# Altium PCB HYDRA_V3_CAMERA.PcbDoc (part 2 of 2)
Units mm, origin at the board's own origin, x right, y up, seen from the top; angles counter-clockwise.
Board outline 50 x 45 mm, 4 copper layers (Top Layer, PWR, GND, Bottom Layer), stack 0.603 mm thick; 137 components, 97 nets, 553 pads, 115 vias.
Unrouted connection lines stored in the file: 170.
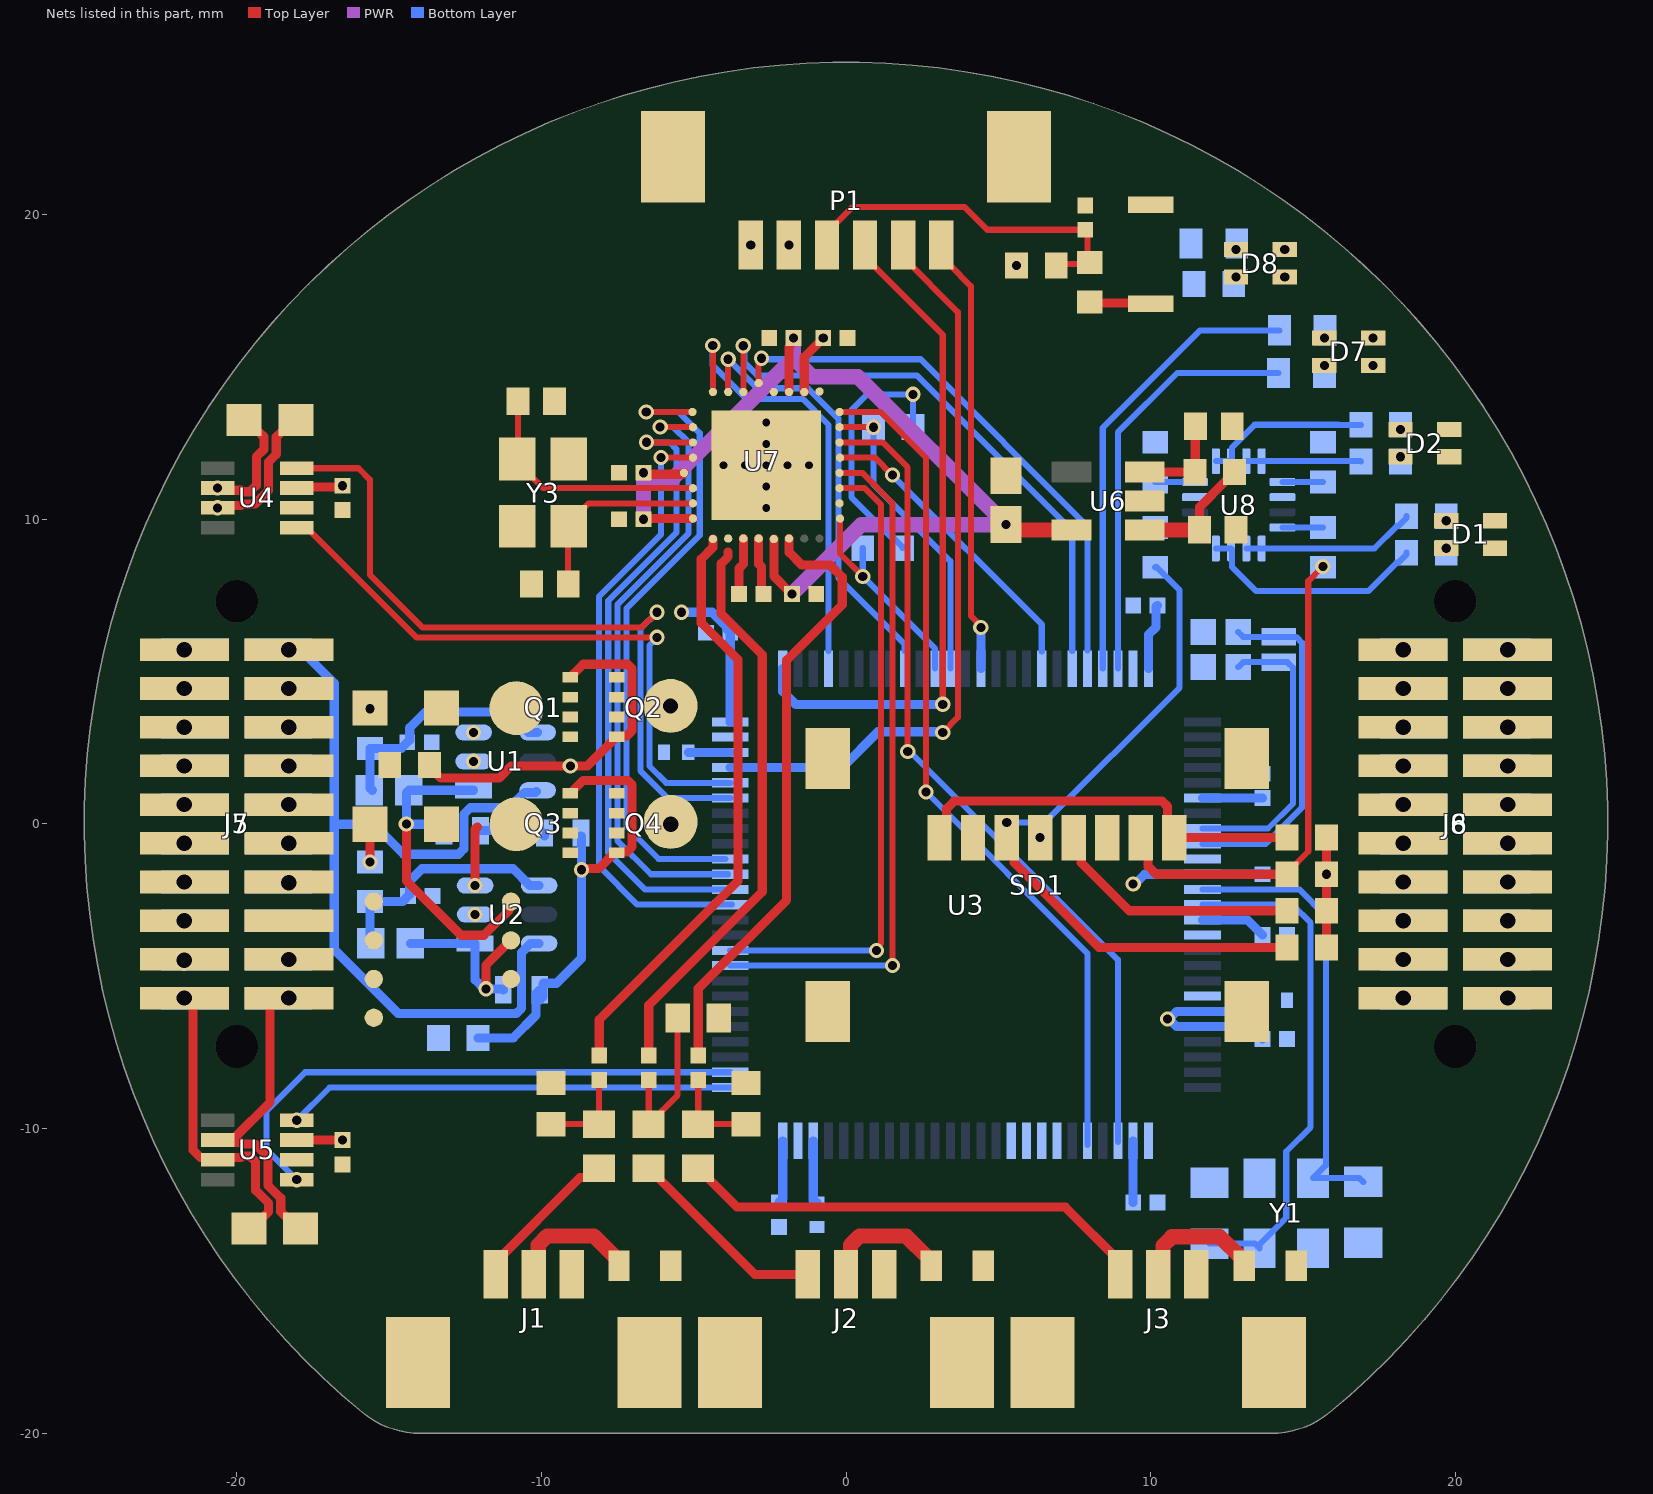
[diagram p3: the nets of this part, all layers, seen from the top]

## Part data
C1 C2 C9 C10 C13 C19 C22 C25 C26 C33 C34 C35 C36 C37 C38: library part CMP-2008-02046-2, "CAP CER 0.1UF 10V X5R 0402", Capacitance="0.10 μF", Manufacturer=Kemet, Package=C0402-BB, Temperature="-55°C to +125°C", Temperature Characteristic=X5R, Temperature Coefficient=15%, Temperature Range High=+125°C, Temperature Range Low=-55°C, Tolerance=0.1, Voltage Rating="10 V", Automotive=No, Category=Cap, ComponentLink2Description=Datasheet, ComponentLink2URL=https://content.kemet.com/datasheets/KEM_C1002_X7R_SMD.pdf, Device Class L1="Passive Components", Device Class L2=Capacitors, Device Class L3="Ceramic Capacitors", Digikey Description="CAP CER 0.1UF 10V X5R 0402", Height=0.55mm, Ipc Land Pattern Name=CAPC10050X50, Lead Free=Yes, Manufacturer Part Number=C0402C104K8PACTU, Material=Ceramic, Mouser Description="Capacitor 100 nF 10 VDC 0402", Octopart=https://octopart.com/c0402c104k8pactu-kemet-140039, RoHS=TRUE
C3 C4 C7 C8 C11 C14 C16: library part CMP-2008-02046-2, "Actually CC0402JRNPO9BN500", Capacitance="50 pF", Manufacturer=Kemet, Manufacturer Part Number=C0402C104K8PACTU, Package=C0402-BB, Temperature="-55°C to +125°C", Temperature Characteristic=X5R, Temperature Coefficient=15%, Temperature Range High=+125°C, Temperature Range Low=-55°C, Tolerance=0.1, Voltage Rating="10 V", Automotive=No, Category=Cap, ComponentLink2Description=Datasheet, ComponentLink2URL=https://content.kemet.com/datasheets/KEM_C1002_X7R_SMD.pdf, Device Class L1="Passive Components", Device Class L2=Capacitors, Device Class L3="Ceramic Capacitors", Digikey Description="CAP CER 0.1UF 10V X5R 0402", Height=0.55mm, Ipc Land Pattern Name=CAPC10050X50, Lead Free=Yes, Material=Ceramic, Mouser Description="Capacitor 100 nF 10 VDC 0402", Octopart=https://octopart.com/c0402c104k8pactu-kemet-140039, RoHS=TRUE
C5 C15: library part CMP-08246-004344-1, "CAP CER 2.2UF 10V X7S 0402", Capacitance=2.2uF, Case Code (Imperial)=0402, Case Code (Metric)=1005, Dielectric=X7S, Dielectric Material=Ceramic, Max Operating Temperature=125°C, Min Operating Temperature=-55°C, Package Quantity=1, Tolerance=10%, Voltage Rating=10V, Case/Package=0402, Depth=0.5mm, Height=0.5mm, Lead Free="Lead Free", Length=1mm, Mount="Surface Mount", Packaging="Tape and Reel", Resistor Type=Ceramic, RoHS Compliant=Yes, Series=C, Termination=SMD/SMT, Thickness=0.022inch, Voltage Rating (DC)=10V, Weight=2.3E-05oz, Width=0.02inch
C6 C20: library part CMP-1659-00030-1, "Chip Capacitor, 18 pF, +/- 5%, 50 V, -55 to 125 degC, 0603 (1608 Metric), RoHS, Tape and Reel", Case Code (Imperial)=0603, Case Code (Metric)=1608, Max Operating Temperature="155 degC", Min Operating Temperature="-55 degC", Package Quantity=200, Power Rating="100 mW", Resistance="68.1 Ohm", Tolerance=1%, Voltage Rating="50 V", Case\Package=0603, ComponentLink1Description="Manufacturer URL", ComponentLink1URL=http://www.yageo.com/, ComponentLink2Description=Datasheet, ComponentLink2URL=http://www.yageo.com/NewPortal/yageodocoutput?fileName=/pdf/MLCC/UPY-GP_NP0_16V-to-50V_14.pdf, DatasheetVersion="Rev. 14, 07/2016", Height="0.45 mm", Length="1.6 mm", PackageDescription="2-Pin Surface Mount Device, Body 1.6 x 0.8 mm", PackageReference=0603, Packaging="Tape and Reel", Radiation Hardening=No, RoHSCompliant=true, Width="0.8 mm"
C12: library part CMP-2100-03641-2, "CAP CER 0.1UF 16V X7R 0402", Capacitance=0.10μF, Manufacturer=Murata, Package=GRM15, Temperature="-55°C to +125°C", Temperature Characteristic=X7R, Temperature Range High=+125°C, Temperature Range Low=-55°C, Tolerance=10%, Voltage Rating=16Vdc, Category=Cap, ComponentLink2Description=Datasheet, ComponentLink2URL=https://search.murata.co.jp/Ceramy/image/img/A01X/G101/ENG/GRM155R71H471KA01-01A.pdf, Device Class L1="Passive Components", Device Class L2=Capacitors, Device Class L3="Ceramic Capacitors", Digikey Description="CAP CER 0.1UF 16V X7R 0402", Height=0.55mm, Ipc Land Pattern Name=CAPC10050X219, Lead Free=yes, Manufacturer Part Number=GRM155R71C104KA88D, Material=Ceramic, Mouser Description="0402 0.1 uF 16V ±10 % Tolerance X7R SMT Multilayer Ceramic Capacitor", Octopart=https://octopart.com/grm155r71c104ka88d-murata-196880, RoHS=TRUE, Standoff Height=0mm
C17 C18: library part CMP-1036-00709-3, "General Purpose Ceramic Capacitor, 0805, 6.8pF, 0.25pF, C0G, 30ppm/°C, 100V", Capacitance=6.8pF, Case Code (Imperial)=0805, Case Code (Metric)=2012, Dielectric=C0G, Dielectric Material=Ceramic, Insulation Resistance=100GR, Max Operating Temperature=125°C, Min Operating Temperature=-55°C, Package Quantity=1, Temperature Coefficient=0ppm/°C, Tolerance=5%, Voltage=100V, Case/Package=0805, Construction=Flat, Contact Plating=Tin, Depth=1.25mm, Dissipation Factor=10%, Height=0.71mm, Lead Free="Lead Free", Length=2.01mm, Mount="Surface Mount", Number of Pins=2, Packaging="Tape and Reel", Radiation Hardening=No, REACH SVHC="No SVHC", RoHS Compliant=Yes, Series=-, Termination=SMD/SMT, Thickness=0.037inch, Voltage Rating=100V, Voltage Rating (DC)=100V, Width=0.049inch
C23: library part CMP-2006-02792-2, "Chip Multilayer Ceramic Capacitors for General Purpose, 0603, 10uF, X5R, 15%, 20%, 6.3V", Capacitance=10uF, Case Code (Imperial)=0603, Case Code (Metric)=1608, Dielectric=X5R, Max Operating Temperature=85°C, Min Operating Temperature=-55°C, Package Quantity=4000, Tolerance=20%, Voltage=6.3V, Case/Package=0603, Depth=0.8mm, Height=0.8mm, Lead Free="Lead Free", Length=1.6mm, Material=Ceramic, Mount="Surface Mount", Packaging="Tape and Reel", Radiation Hardening=No, REACH SVHC="No SVHC", Termination=SMD/SMT, Thickness=0.035inch, Voltage Rating=6.3V, Voltage Rating (DC)=6.3V, Width=0.031inch
C24 C27: library part CMP-2006-02256-2, "CAP CER 4.7UF 6.3V X5R 0603", Capacitance=4.7uF, Manufacturer=Kemet, Package=C0603-CG, Temperature="-55°C to +85°C", Temperature Characteristic=X5R, Temperature Coefficient=15%, Temperature Range High=+85°C, Temperature Range Low=-55°C, Tolerance=10%, Voltage Rating=6.3V, Automotive=No, Category=Cap, ComponentLink2Description=Datasheet, ComponentLink2URL=https://content.kemet.com/datasheets/KEM_C1006_X5R_SMD.pdf, Device Class L1="Passive Components", Device Class L2=Capacitors, Device Class L3="Ceramic Capacitors", Digikey Description="CAP CER 4.7UF 6.3V X5R 0603", Height=0.9mm, Ipc Land Pattern Name=CAPC16080X80, Lead Free=Yes, Manufacturer Part Number=C0603C475K9PACTU, Material=Ceramic, Mouser Description="Multilayer Ceramic Capacitors MLCC - SMD/SMT 6.3volts 4.7uF X5R 10%", Octopart=https://octopart.com/c0603c475k9pactu-kemet-104242, RoHS=TRUE
C28 C29 C30 C31 C32: library part CMP-2100-03600-2, "CAP CER 10000PF 50V X7R 0603", Capacitance="10 nF", Manufacturer=YAGEO, Package=CC0603-DA, Temperature="-55°C to +125°C", Temperature Characteristic=X7R, Temperature Coefficient=15%, Temperature Range High=+125°C, Temperature Range Low=-55°C, Tolerance=0.1, Voltage="50 V", Automotive=No, Category=Cap, ComponentLink2Description=Datasheet, ComponentLink2URL=http://www.yageo.com/documents/recent/UPY-GPHC_X7R_6.3V-to-50V_18.pdf, Device Class L1="Passive Components", Device Class L2=Capacitors, Device Class L3="Ceramic Capacitors", Digikey Description="CAP CER 10000PF 50V X7R 0603", Footprint Url=http://www.yageo.com/exep/pages/download/literatures/UPY-C_GEN_24.pdf, Height=0.9mm, Lead Free=Yes, Manufacturer Part Number=CC0603KRX7R9BB103, Material=Ceramic, Mouser Description="Multilayer Ceramic Capacitor, CC Series, 0.01 - F, - 10%, X7R, 50 V, 0603 [1608 Metric]", Octopart=https://octopart.com/cc0603krx7r9bb103-yageo-192938, RoHS=TRUE, Voltage Rating="50 V"
C39 C40: library part CMP-2006-03321-2, "CAP CER 47PF 100V 5% NP0 0603", Capacitance="47 pF", Manufacturer=KEMET, Package=C0603C-CF, Temperature="-55°C to +125°C", Temperature Characteristic=C0G, Temperature Coefficient=30ppm/°C, Temperature Range High=+125°C, Temperature Range Low=-55°C, Tolerance=0.05, Voltage Rating="100 V", Automotive=Yes, Automotive Grade="Grade 1", Category=Cap, ComponentLink2Description=Datasheet, ComponentLink2URL=https://api.kemet.com/component-edge/download/datasheet/C0603C100J5GACAUTO.pdf, Device Class L1="Passive Components", Device Class L2=Capacitors, Device Class L3="Ceramic Capacitors", Digikey Description="CAP CER 47PF 100V 5% NP0 0603", Height=0.87mm, Lead Free=Yes, Manufacturer Part Number=C0603C470J1GACTU, Material=Ceramic, Mouser Description="Multilayer Ceramic Capacitors MLCC - SMD/SMT 100volts 47pF C0G 5%", Octopart=https://octopart.com/c0603c470j1gactu-kemet-3768219, RoHS=TRUE
D1 D2 D7 D8: library part CMP-004-00034-2, "Led, Red/Grn, 180Mcd/230Mcd, 624Nm/525Nm Rohs Compliant: Yes"
D3 D4 D5: library part CMP-004-00036-1, "SMD Si-Diode 75V 100mA 0603"
F1 F2 F3: library part CMP-07400-000010-1, "PTC RESET FUSE 6V 500MA 0603", Ambient Temperature Range High=+85°C, Ambient Temperature Range Low=-40°C, Current Rating=40A, Hold Current=0.5A, Manufacturer="Bourns Inc.", Package=MF-FSMF, Resistance=0.1-0.8Ω, Temperature="-40°C to +85°C", Trip Current=1A, Voltage Rating=6V, Automotive=No, Category=Fuse, ComponentLink2Description=Datasheet, ComponentLink2URL=https://www.bourns.com/docs/Product-Datasheets/mffsmf.pdf, Device Class L1="Circuit Protection", Device Class L2="PTC Resettable Fuses", Device Class L3=unset, Digikey Description="PTC RESET FUSE 6V 500MA 0603", Height=1mm, Lead Free=Yes, Manufacturer Part Number=MF-FSMF050X-2, Mouser Description="Resettable Fuses - PPTC 6volts 40amps", Octopart=https://octopart.com/mf-fsmf050x-2-bourns-10470804, RoHS=TRUE, Temperature Range High=+85°C, Temperature Range Low=-40°C, Trip Time=0.1s
J1 J2 J3: library part CMP-04776-000071-1, "CONN HEADER SMD R/A 3POS 1.25MM", Ambient Temperature Range High=+105°C, Ambient Temperature Range Low=-40°C, Current Rating=1A, Manufacturer=Molex, Package=0, Temperature="-40°C to +105°C", Voltage Rating=125V, Automotive=No, Category=Conn, ComponentLink2Description=Datasheet, ComponentLink2URL=https://www.molex.com/webdocs/datasheets/pdf/en-us/0532610371_PCB_HEADERS.pdf, Conn Gender=Male, Conn Orientation="Right Angle", Contact Material=Tin,Nickel, Device Class L1=Connectors, Device Class L2="Headers and Wire Housings", Device Class L3=unset, Digikey Description="CONN HEADER SMD R/A 3POS 1.25MM", Footprint Url=https://www.molex.com/pdm_docs/sd/532610371_sd.pdf, Height=3.6mm, Lead Free=Yes, Manufacturer Part Number=53261-0371, Mouser Description="1.25mm (.049\") Pitch PicoBlade Header, Surface Mount, Right Angle, Lead-free, 3 Circuits", Number Of Contacts=3, Number Of Rows=1, Octopart=https://octopart.com/53261-0371-molex-655314, Pitch=1.25mm, RoHS=TRUE, Temperature Range High=+105°C, Temperature Range Low=-40°C
J5 J6: library part CMP-002-00076-2, "Headers & Wire Housings .050 Tiger Eye High-Reliability Locking Socket Strip"
J7 J8: library part CMP-002-00077-1, "Conn Shrouded Header (4 Sides) HDR 20 POS 1.27mm Solder ST Top Entry SMD TIGER EYE™ Tube"
P1: library part CMP-002-00079-1, "Conn Shrouded Header (4 Sides) HDR 6 POS 1.25mm Solder RA Side Entry SMD PicoBlade™ T/R"
Q1 Q2 Q3 Q4: library part CMP-013-00036-1, "Trans MOSFET P-CH 20V 22.1A 8-Pin PowerPAK 1212 EP T/R"
R1 R10: library part CMP-05422-000098-1, "RES 0.1 OHM 1% 1/2W 0805", Case Code (Imperial)=0805, Case Code (Metric)=2012, Max Operating Temperature=155°C, Max Power Dissipation=500mW, Min Operating Temperature=-55°C, Resistance=100mR, Resistor Type="Thick Film", Temperature Coefficient=150ppm/°C, Tolerance=1%, Case/Package=0805, Features="Automotive AEC-Q200", Height=0.028inch, Length=0.079inch, Number of Terminations=2, Packaging="Cut Tape", Width=0.049inch
R2 R3 R4 R5 R6 R7 R8 R11 R13 R14 R17 R18 R19 R20 R21 R27 R31 R38 R40 R43 R44 R46 R48: library part CMP-1012-00623-3, "Chip Resistor, 10 KOhm, +/- 1%, 0.1 W, -55 to 155 degC, 0603 (1608 Metric), RoHS, Tape and Reel", Case Code (Imperial)=0603, Case Code (Metric)=1608, Manufacturer=Panasonic, Max Operating Temperature=155degC, Max Power Dissipation=100mW, Min Operating Temperature=-55degC, Package Description="2-Pin Surface Mount Device, Body 1.6 x 0.85 mm", Package Quantity=1, Package Reference=603, Resistance=10KOhm, Temperature Coefficient=100ppm\/degreesC, Tolerance=1%, Voltage Rating=75V, Case\/Package=0603, Composition=ThickFilm, Contact Plating=Tin, Datasheet URL=https://industrial.panasonic.com/cdbs/www-data/pdf/RDA0000/AOA0000C304.pdf, Datasheet Version=02/2017, Depth=0.8mm, Height=0.45mm, Lead Free=LeadFree, Length=1.6mm, Manufacturer URL=http://www.panasonic.com/, Military Standard=Not, Mount=SurfaceMount, Mounting Technology=SurfaceMount, Number of Pins=2, Number of Terminations=2, Packaging=TapeandReel, Power Rating=100mW, Radiation Hardening=No, REACH SVHC=NoSVHC, RoHSCompliant=true, Termination=SMD/SMT, Voltage Rating (DC)=75V, Width=0.031inch
R9 R12: library part CMP-2000-00925-1, "NOT PANASONIC, THIS IS A 1M RESISTORhttps://www.yageo.com/upload/media/product/productsearch/datasheet/rchip/PYu-RT_1-to-0.01_RoHS_L_13.pdf", Manufacturer=Panasonic, Part Number=ERA-3AEB163V
R15 R16: library part CMP-2000-00182-1, Manufacturer=Panasonic, Part Number=ERJ-3EKF1003V
R22 R23: library part CMP-2000-00213-2, "Chip Resistor, 120 Ohm, +/- 1%, 0.1 W, -55 to 155 degC, 0603 (1608 Metric), RoHS, Tape and Reel", Case Code (Imperial)=0603, Case Code (Metric)=1608, Manufacturer=Panasonic, Max Operating Temperature=155degC, Max Power Dissipation=100mW, Min Operating Temperature=-55degC, Package Description="2-Pin Surface Mount Device, Body 1.6 x 0.85 mm", Package Quantity=1, Resistance=120Ohm, Temperature Coefficient=100ppm/degreesC, Tolerance=1%, Voltage Rating=75V, Case/Package=0603, Composition=ThickFilm, Contact Plating=Tin, Datasheet URL=https://industrial.panasonic.com/cdbs/www-data/pdf/RDA0000/AOA0000C283.pdf, Datasheet Version=42095.0, Depth=0.8mm, Height=0.022inch, Lead Free=LeadFree, Length=1.6mm, Manufacturer URL=http://www.panasonic.com/, Military Standard=Not, Mount=SurfaceMount, Number of Pins=2, Number of Terminations=2, Package Reference=0603, Package URL=http://www.st.com/st-web-ui/static/active/en/resource/technical/document/datasheet/CD00001320.pdf, Packaging=TapeandReel, Power Rating=100mW, Radiation Hardening=No, REACH SVHC=NoSVHC, RoHSCompliant=true, Termination=SMD/SMT, Voltage Rating (DC)=75V, Width=0.031inch
R24 R25 R29: library part CMP-2000-03446-2, "RES Thick Film, 51Ω, 1%, 0.1W, 100ppm/°C, 0603", Case Code (Imperial)=0603, Case Code (Metric)=1608, Max Operating Temperature=155°C, Max Power Dissipation=100mW, Min Operating Temperature=-55°C, Package Quantity=10, Resistance=51R, Temperature Coefficient=100ppm/°C, Tolerance=1%, Voltage Rating=75V, Case/Package=0603, Composition="Thick Film", Contact Plating=Tin, Depth=0.85mm, Features="Automotive AEC-Q200", Height=0.45mm, Lead Free="Lead Free", Length=1.55mm, Military Standard=Not, Number of Pins=2, Number of Terminations=2, Packaging="Tape and Reel", Power Rating=100mW, Radiation Hardening=No, Termination=SMD/SMT, Voltage Rating (DC)=75V, Weight=7.1E-05oz, Width=0.85mm, Working Voltage=75V
R26 R28 R33 R39 R45 R47: library part CMP-2000-00435-2, "Chip Resistor, 330 Ohm, +/- 1%, 0.1 W, -55 to 155 degC, 0603 (1608 Metric), RoHS, Tape and Reel", Current Rating="500 mA", Max Operating Temperature="85 degC", Min Operating Temperature="-25 degC", Package Quantity=1500, Voltage Rating="10 V", ComponentLink1Description="Manufacturer URL", ComponentLink1URL=http://www.panasonic.com/, ComponentLink2Description=Datasheet, ComponentLink2URL=http://industrial.panasonic.com/cdbs/www-data/pdf/RDA0000/AOA0000C86.pdf, Contact Finish=Gold, Contact Material=Copper, Contact Plating=Gold, DatasheetVersion=Apr-15, Gender=Male, Height="1.45 mm", Lead Pitch="1.1 mm", Length="13.7 mm", Mating Cycles=10000, Mount="Surface Mount", PackageDescription="2-Pin Surface Mount Device, Body 1.6 x 0.85 mm", PackageReference=0603, Packaging="Tape and Reel", Pins=8, REACH SVHC="No SVHC", RoHSCompliant=true, Width="1.45 mm"
R30 R34 R36: library part CMP-1012-00325-2, Manufacturer=Panasonic, Part Number=ERJ-3EKF24R0V
R32 R35 R37: library part CMP-2000-00547-1, Manufacturer=Panasonic, Part Number=ERJ3EKF51R0V
SD1: library part CMP-2000-05245-1, "MicroSD Card Connector, Hinge Type, -40 to 85 degC, 8-Pin SMD, RoHS, Tape and Reel", Current Rating=500mA, Manufacturer=Molex, Voltage Rating=100VDC, Brand=Molex, Card Type=microSD, Contact Material=CopperAlloy, Datasheet URL=http://www.molex.com/pdm_docs/sd/472192001_sd.pdf, Datasheet Version="Rev. F, 06/2009", Factory Pack Quantity=2400, Housing Material=Thermoplastic, Insertion - Extraction Style=Hinged, Manufacturer URL=http://www.molex.com/, Mounting Style=SMD/SMT, Number Of Contacts=8, Packaging=Reel, Pitch=1.09mm, Product=CardConnectors, Product Category=MemoryCardConnectors, RoHS=Details, Series=47219, Termination Style=SMD
SW1: library part CMP-10040-000029-1, "SWITCH TACTILE SPST-NO 0.02A 15V", Current Rating=5A, Flammability Rating="UL94 V-0", Insulation Color=Black, Max Operating Temperature=85°C, Min Operating Temperature=-40°C, Operating Force=240gf, Actuator Type=Standard, Connector Type=USB, Contact Plating=Gold, Gender=Receptacle, Illumination Type=Non-Illuminated, Mechanical Life=500000Cycles, Mount="Surface Mount", Number Of Contacts=24, Number of Ports=1, Packaging="Tape and Reel", Switch Function=Off-Mom, Switch Travel=0.13mm, Termination=Solder, Throw Configuration=SPST
TP1 TP2 TP3 TP4 TP5 TP6 TP7 TP8 TP9 TP10 TP11 TP12 TP13 TP14 TP15 TP16 TP17: library part CMP-00028-00002-2, "0.6mm round", Pins=1
U1 U2: library part CMP-04896-000098-1, "40V, RAIL-TO-RAIL INPUT, PUSH-PU"
U3: library part CMP-020-00024-1, "MCU 32-bit ARM Cortex M7 RISC 1MB Flash 1.8V/2.5V/3.3V 100-Pin LQFP Tray"
U4 U5: library part CMP-04872-000178-1, "IC TRANSCEIVER 1/1 SOT23-8", Case/Package=SOT-23-8, Max Operating Temperature=125°C, Min Operating Temperature=-40°C, Data Rate=1Mbps, Lead Free="Lead Free", Mount="Surface Mount", Packaging="Tape and Reel", RoHS Compliant=Yes
U6: library part CMP-0136-00652-1, "300 mA, Low Voltage, Low Quiescent Current LDO Regulator, 5-Pin SOT-23, Extended Temperature, Tape and Reel", Code_IPC=SOT23-5, DatasheetVersion="revA, Aug-2007", PackageDescription="5-Lead Plastic Small Outline Transistor (OT) [SOT-23]", PackageReference=SOT-23-OT5, PackageVersion="revBB, Aug-2009"
U7: library part CMP-09080-000010-1, "IC VIDEO DECODER SDTV 32-LFCSP", Case/Package="LFCSP EP", Max Operating Temperature=105°C, Max Supply Voltage=1.89V, Min Operating Temperature=-40°C, Min Supply Voltage=1.71V, Operating Supply Current=70mA, Package Quantity=490, Contact Plating=Tin, Height=0.75mm, Interface=I2C, Lead Free="Contains Lead", Length=5.1mm, Mount="Surface Mount", Number of A/D Converters=1, Number of Bits=10, Number of Inputs=4, Number of Pins=32, Packaging=Tray, REACH SVHC="No SVHC", Resolution=10b, RoHS Compliant=Yes, Series=AUTOMOTIVE, Width=5.1mm
U8: library part CMP-014-00004-1, "LM2902 Series 30 V 1.3 MHz Low-Power Quad Operational Amplifier - QFN-16 (3x3)"
Y1: library part CMP-27762-011708-1, "Crystal 48MHz ±20ppm 18pF SMD-4 3.2mm x 2.5mm", Case/Package=CSMD, ESR (Equivalent Series Resistance)=35R, Frequency=48MHz, Frequency Stability=50ppm, Frequency Tolerance=20ppm, Load Capacitance=18pF, Max Operating Temperature=70°C, Min Operating Temperature=-20°C, Operating Frequency="48 MHz", Package Quantity=1000, Resistor Type=Ceramic, Depth=2.5mm, Height=0.031inch, Lead Free="Lead Free", Length=3.2mm, Mount="Surface Mount", Number of Pins=4, Packaging="Tape and Reel", Radiation Hardening=No, REACH SVHC="No SVHC", RoHS Compliant=Yes, Series=ABM8, Series Resistance=35R, Termination=SMD/SMT, Tolerance=20ppm, Width=0.098inch
Y2: library part CMP-40224-000006-1, "CRYSTAL 32.7680KHZ 12.5PF SMD", Frequency=32.768kHz, Load Capacitance=12.5pF, Manufacturer="ECS International", Package=ECX-1210, Temperature="-40°C to +85°C", Temperature Range High=+85°C, Temperature Range Low=-40°C, Tolerance=20ppm, Automotive=No, Category=Crys, ComponentLink2Description=Datasheet, ComponentLink2URL=https://ecsxtal.com/store/pdf/ECX-1210.pdf, Device Class L1="Passive Components", Device Class L2="Crystals / Oscillators", Device Class L3=Crystals, Digikey Description="CRYSTAL 32.7680KHZ 12.5PF SMD", Esr=90kΩ, Height=0.5mm, Lead Free=Yes, Manufacturer Part Number=ECS-.327-12.5-1210-TR, Octopart=https://octopart.com/ecs-.327-12.5-1210-tr-ecs+international-81221340, RoHS=TRUE, Series=ECX-1210
Y3: library part CMP-27762-014063-1, "Crystal 28.63636MHz ±20ppm (Tol) ±30ppm (Stability) 18pF FUND 50Ω 4-Pin SMD T/R", Case/Package=SMD/SMT, ESR (Equivalent Series Resistance)=50R, Frequency=28.63636MHz, Frequency Stability=30ppm, Frequency Tolerance=20ppm, Load Capacitance=18pF, Max Operating Temperature=85°C, Min Operating Temperature=-40°C, Operating Frequency="28.6 MHz", Package Quantity=1000, Height=1mm, Lead Free="Lead Free", Length=3.2mm, Mount="Surface Mount", Number of Pins=4, Packaging="Tape and Reel", Radiation Hardening=No, REACH SVHC=Yes, Series=ABM8G, Series Resistance=50R, Termination=SMD/SMT, Tolerance=20ppm, Width=2.5mm

## Via types
v1: diameter 0.5, hole 0.3, Top Layer to Bottom Layer, 65 vias
v2: diameter 0.7, hole 0.5, Top Layer to Bottom Layer, 41 vias
v3: diameter 0.533, hole 0.254, Top Layer to Bottom Layer, 9 vias

## Nets (pads, with @x,y where several pads share a name; then routed paths per layer and width w, separated by ;. In a path a pad name is that pad's centre, name@x,y a point inside that pad or via, vN(x,y) a via of type N, cw(c..) or ccw(c..) an arc to the next point about the centre after c; other vN are vias at no path point)
1V8_SENSE: R17.1 U3.33
3V3_CUTOFF_MOSFET: D4.A D5.C Q3.4 Q4.4 R3.2 | length 16.1
  Top Layer w0.3: Q3.4@-9.047,1.002 -8.972,1.002 -8.947,1.027 -8.947,1.102 -8.618,1.432 -7.168,1.432 -7.021,1.284 -7.021,-0.744 -7.197,-0.92 -7.497,-0.92 Q4.4@-7.522,-0.945 -7.597,-0.945 -8.12,-1.467 -8.643,-1.467 v1(-8.682,-1.505)
  Bottom Layer w0.3: R3.2@-12.073,-7.02 -10.922,-7.02 -10.172,-6.27 -10.172,-5.745 -10.1,-5.673 -9.945,-5.673 -9.945,-5.252 -9.922,-5.229 -9.502,-5.229 -8.682,-4.409 v1(-8.682,-1.505) -8.682,-0.411 D4.A@-8.698,-0.395 ; D5.C@-10.172,-5.775 -10.172,-5.57 D5.C@-10.047,-5.445 D5.C@-10.047,-5.775
3V3_OC_TP: D5.A R12.1 TP2.1 U2.1 | length 6.3
  Top Layer w0.3: v1(-11.819,-5.412) -11.819,-4.642 TP2.1@-10.997,-3.82
  Bottom Layer w0.3: R12.1@-14.297,-3.92 U2.1@-12.173,-3.92 -12.173,-5.12 v1@-11.872,-5.42 ; v1(-11.819,-5.412) -11.28,-5.412 D5.A@-11.247,-5.445
3V3_POST_SHUNT: Q3.5-6-7-8 R10.2 U2.3 | length 2
  Top Layer w0.3: v1(-12.173,-2.02) -12.173,-0.173 -12.097,-0.098
3V3_PRE_SHUNT: J5.09 J5.10 J5.11 J5.12 J7.09 J7.10 J7.11 J7.12 R10.1 R11.2 | length 1.2
  Top Layer w0.3: v1(-15.623,-1.245) R10.1@-15.622,-0.01
  other v2: -21.715,-0.635 -18.285,-0.633 -21.715,0.635 -18.285,0.635
3V3_SENSE: R14.1 R19.2 U3.34
5V: D8.2 R13.2 TP4.1
  other v1: 14.4,17.95
5V_CUTOFF_MOSFET: D3.C D4.C Q1.4 Q2.4 R4.2 | length 14.1
  Top Layer w0.3: R4.2@-13.672,1.93 -13.672,1.88 -13.297,1.505 -11.383,1.505 -10.983,1.905 v1(-9.047,1.905) -8.482,1.905 -7.625,2.762 -7.625,2.837 -7.6,2.862 Q2.4@-7.525,2.862 -7.5,2.887 -7.199,2.887 -7.023,3.063 -7.023,5.092 -7.171,5.239 -8.623,5.239 -8.95,4.912 -8.95,4.837 -8.975,4.812 Q1.4@-9.05,4.812
  Bottom Layer w0.3: D3.C@-11.997,-0.22 -10.022,-0.22 -9.897,-0.345 D4.C@-9.897,-0.395
5V_OC_TP: D3.A R9.1 TP1.1 U1.1 | length 11
  Top Layer w0.3: v1(-14.429,-0.002) -14.429,-1.863 -12.637,-3.655 -11.883,-3.655 -11.055,-2.827 -11.055,-2.607 TP1.1@-10.997,-2.55
  Bottom Layer w0.3: v1(-14.429,-0.002) -14.429,1.023 R9.1@-14.347,1.105 ; v1@-14.422,-0.01 D3.A@-13.197,-0.01 ; R9.1@-14.247,1.105 U1.1@-12.223,1.105
5V_POST_SHUNT: Q1.5-6-7-8 R1.2 U1.3
  other v1: -12.223,3.005
5V_PRE_SHUNT: J5.03 J5.04 J5.05 J5.06 J7.03 J7.04 J7.05 J7.06 R1.1 R2.2
  other v1: -15.622,3.78
  other v2: -21.715,3.175 -18.285,3.175 -21.715,4.445 -18.285,4.445
5V_SENSE: R13.1 R18.2 U3.35
AVDD: C23.1 C28.1 C29.1 C31.1 C32.1 C33.2 C34.2 C36.2 C37.2 R17.2 U6.5 U7.3 U7.13 U7.16 U7.21 | length 35.1
  Top Layer w0.3: v1(-6.65,10) -6.628,10.022 U7.16@-5.023,10.022 ; C34.2@-6.649,11.522 -6.603,11.475 -5.363,11.475 U7.13@-5.316,11.522 ; U7.21@-2.368,9.351 -2.368,8.136 v1(-1.776,7.545) ; U7.3@-1.868,14.177 -1.868,15.659 -1.831,15.695 -1.831,15.835 v1(-1.721,15.945)
  Top Layer w0.5: v1(5.25,9.823) 5.423,9.65 U6.5@7.4,9.65
  PWR w0.5: v1(-6.65,10) -6.65,11.25 ; v1(-6.65,11.525) -6.65,11.25 ; v1(-1.776,7.545) 0.502,9.823 v1(5.25,9.823) 0.398,14.675 -1.1,14.675 -1.721,15.296 ; v1(-1.721,15.945) -1.721,15.296 ; -6.65,11.25 -5.768,11.25 -1.721,15.296
CAM_1: J1.1 R30.1 | length 5.1
  Top Layer w0.3: J1.1@-11.5,-14.775 -11.5,-14.375 -8.725,-11.6 -8.4,-11.6 R30.1@-8.1,-11.3
CAM_2: J2.1 R34.1 | length 6.7
  Top Layer w0.3: R34.1@-6.458,-11.317 -6.383,-11.317 -6.1,-11.6 -6.1,-11.675 -2.983,-14.792 J2.1@-1.267,-14.792
CAM_3: J3.1 R36.1 | length 15.5
  Top Layer w0.3: R36.1@-4.85,-11.3 -3.575,-12.575 7.2,-12.575 9,-14.375 J3.1@9,-14.775
CAM_5V: F1.2 F2.2 F3.2 Q2.5-6-7-8
  other v2: -5.757,3.875
CAM_SCL: U3.59 U7.28 | length 22.7
  Top Layer w0.2: U7.28@-0.212,11.522 0.537,11.522 1.525,10.534 v1(1.525,-4.65)
  Bottom Layer w0.2: U3.59@-3.8,-4.65 v1(1.525,-4.65)
CAM_SDA: R44.2 U3.60 U7.27 | length 21.1
  Top Layer w0.2: U7.27@-0.212,11.022 0.61,11.022 1.15,10.482 1.15,-3.919 0.93,-4.139 v1@0.93,-4.176
  Bottom Layer w0.2: U3.60@-3.8,-4.15 v1(1,-4.15)
CAN0_N: J5.16 J7.16 R22.1 TP15.1 U4.6 | length 4
  Top Layer w0.3: v1(-20.625,11.025) -20.55,10.95 -19.859,10.95 -19.81,10.901 -19.562,10.901 -19.349,11.113 -19.349,12.049 -19.101,12.298 -19.101,12.699 -19.277,12.875 -19.375,12.875 R22.1@-19.75,13.25
CAN0_P: J5.15 J7.15 R22.2 TP12.1 U4.7 | length 4.6
  Top Layer w0.3: v1(-20.625,10.375) -20.55,10.45 -19.859,10.45 -19.81,10.499 -19.395,10.499 -18.948,10.947 -18.948,11.883 -18.699,12.132 -18.699,12.699 -18.523,12.875 -18.425,12.875 R22.2@-18.05,13.25
  other v2: -21.715,-3.175
CAN1_N: J5.20 J7.20 R23.1 TP16.1 U5.6 | length 10.9
  Top Layer w0.3: v2(-18.285,-5.715) -18.68,-5.715 -18.9,-5.935 -18.9,-9.131 -20.069,-10.3 -20.55,-10.3 U5.6@-20.625,-10.375 -20.55,-10.45 -19.859,-10.45 -19.81,-10.499 -19.395,-10.499 -18.973,-10.921 -18.973,-11.857 -18.549,-12.282 -18.549,-12.724 -18.373,-12.9 -18.275,-12.9 R23.1@-17.9,-13.275
CAN1_P: J5.19 J7.19 R23.2 TP13.1 U5.7 | length 10.2
  Top Layer w0.3: v2(-21.715,-5.715) -21.647,-5.715 -21.427,-5.935 -21.427,-10.704 -21.181,-10.95 -20.7,-10.95 U5.7@-20.625,-11.025 -20.55,-10.95 -19.859,-10.95 -19.81,-10.901 -19.562,-10.901 -19.375,-11.087 -19.375,-12.024 -18.951,-12.448 -18.951,-12.724 -19.127,-12.9 -19.225,-12.9 R23.2@-19.6,-13.275
CAN1_RX: U3.70 U4.4 | length 24.8
  Top Layer w0.2: U4.4@-18.025,11.675 -16,11.675 -15.625,11.3 -15.625,8.175 -13.9,6.45 -6.7,6.45 v1(-6.2,6.95)
  Bottom Layer w0.2: v1(-6.2,6.95) -6.75,6.4 -6.75,1.75 -5.85,0.85 U3.70@-3.8,0.85
CAN1_TX: U3.71 U4.1 | length 20.5
  Top Layer w0.2: U4.1@-18.025,9.725 -17.7,9.725 -14.1,6.125 v1(-6.2,6.125)
  Bottom Layer w0.2: v1(-6.2,6.125) -6.2,6.106 -6.448,5.858 -6.448,1.898 -5.9,1.35 U3.71@-3.8,1.35
CAN2_RX: U3.51 U5.4 | length 14.7
  Bottom Layer w0.2: v1(-18.025,-9.725) -16.95,-8.65 U3.51@-3.8,-8.65
CAN2_TX: U3.52 U5.1 | length 18.4
  Bottom Layer w0.2: v1(-18.025,-11.675) -19.025,-10.675 -19.025,-9.425 -17.75,-8.15 U3.52@-3.8,-8.15
DVDDIO: C3.2 C4.2 C5.1 C8.2 C9.2 C11.2 C12.2 C13.2 C14.2 C15.1 C16.2 C24.1 C30.1 C35.2 D7.2 D7.3 D8.3 P1.5 Q4.5-6-7-8 R5.2 R6.2 R7.2 R8.2 R14.2 R27.1 R31.1 R40.2 R43.2 SD1.4 TP8.1 TP14.1 U3.11 U3.20 U3.21 U3.27 U3.48 U3.50 U3.73 U3.75 U3.100 U4.3 U5.3 U6.1 U7.2 U8.2 | length 47.1
  Top Layer w0.3: U5.3@-18.025,-10.375 v1(-16.525,-10.375) ; U4.3@-18.025,11.025 -17.988,11.062 -16.562,11.062 v1(-16.525,11.1) ; U7.2@-1.368,14.177 -1.368,15.323 v1(-0.746,15.945) ; C24.1@11.6,9.65 11.6,10.4 12.475,11.275 12.525,11.275 12.75,11.5 R31.1@12.75,11.55 ; R6.2@15.775,-4.05 R5.2@15.775,-2.85 v1(15.775,-1.65) R8.2@15.775,-0.45
  Top Layer w0.5: U6.1@9.8,9.65 C24.1@11.6,9.65
  Bottom Layer w0.2: R40.2@1.85,9.05 1.85,9.1 1.575,9.375 1.525,9.375 0.175,10.725 0.175,13.575 0.7,14.1 v1(2.2,14.1) R43.2@2.2,13.072
  Bottom Layer w0.3: v1(-5.4,6.95) -4.399,6.95 -3.91,6.461 -3.91,6.385 C4.2@-3.8,6.275 U3.75@-3.8,3.35 ; C5.1@-5.175,2.35 U3.73@-3.8,2.35 ; C14.2@-2.2,-12.425 -2.075,-12.3 U3.50@-2.075,-10.4 ; U3.48@-1.075,-10.4 -1.075,-12.35 -1,-12.425 C15.1@-0.95,-12.425 ; C16.2@9.425,-12.425 U3.27@9.425,-10.4 ; v1(9.425,-1.975) 9.479,-1.975 9.804,-1.65 U3.11@11.7,-1.65 C8.2@13.675,-1.65 ; U3.100@9.925,5.1 9.925,6.213 10.177,6.465 10.177,7.127 C3.2@10.225,7.175 ; v1(10.55,-6.4) v1@10.604,-6.4 ; C11.2@13.675,-7.06 13.265,-6.65 U3.21@11.7,-6.65 10.854,-6.65 v1@10.604,-6.4 ; C12.2@13.675,-5.785 13.675,-5.835 13.36,-6.15 U3.20@11.7,-6.15 10.854,-6.15 v1@10.604,-6.4
  other v1: 6.37,-0.45 17.3,15.05 17.3,15.95 5.6,18.325 14.4,18.85 -1.875,19
  other v2: -5.755,-0.012
G_LED: R24.2 U3.98 | length 13.8
  Bottom Layer w0.2: U3.98@8.925,5.1 8.925,12.85 10.875,14.8 R24.2@14.2,14.8
GND: C1.2 C2.2 C3.1 C4.1 C5.2 C6.1 C7.1 C8.1 C9.1 C10.2 C11.1 C12.1 C13.1 C14.1 C15.2 C16.1 C17.1 C18.1 C19.2 C20.1 C23.2 C24.2 C27.2 C28.2 C29.2 C30.2 C31.2 C32.2 C33.1 C34.1 C35.1 C36.1 C37.1 C39.2 C40.2 D1.1 D1.4 D2.1 D2.4 J1.3 J1.4 J1.5 J2.3 J2.4 J2.5 J3.3 J3.4 J3.5 J5.07 J5.08 J5.13 J5.14 J5.17 J5.18 J6.09 J6.10 J6.11 J6.12 J6.13 J6.14 J6.15 J6.16 J6.17 J6.18 J6.19 J6.20 J7.07 J7.08 J7.13 J7.14 J7.17 J7.18 J8.09 J8.10 J8.11 J8.12 J8.13 J8.14 J8.15 J8.16 J8.17 J8.18 J8.19 J8.20 P1.6 P1.S1 P1.S2 R3.1 R4.1 R18.1 R19.1 R20.1 R21.1 R28.2 R29.2 R32.1 R35.1 R37.1 SD1.6 SD1.9 SD1.10 SD1.11 SD1.12 SW1.2 TP3.1 TP7.1 TP9.1 TP10.1 TP11.1 U1.2 U2.2 U3.10 U3.19 U3.26 U3.49 U3.74 U3.99 U4.2 U5.2 U6.2 U7.1 U7.4 U7.26 U7.33 U8.11 Y1.2 Y1.4 Y3.2 Y3.4
  other v1: -12.173,-2.97 -12.223,2.055 -3.125,19
  other v2: 18.285,-5.715 21.715,-5.715 -21.715,-4.475 -18.285,-4.445 18.285,-4.445 21.715,-4.445 18.285,-3.175 21.715,-3.175 -18.285,-1.933 -21.715,-1.905 18.285,-1.905 21.715,-1.905 18.285,-0.635 21.715,-0.635 18.285,0.635 21.715,0.635 -21.715,1.905 -18.285,1.905
  other v3: -2.618,10.372 -2.618,11.072 -4.018,11.772 -3.318,11.772 -2.618,11.772 -1.918,11.772 -1.218,11.772 -2.618,12.472 -2.618,13.172
HS: U3.28 U7.30 | length 27.6
  Top Layer w0.2: U7.30@-0.212,12.522 1.203,12.522 2.025,11.7 v1(2.025,2.375)
  Bottom Layer w0.2: v1(2.025,2.375) 2.1,2.375 8.925,-4.45 U3.28@8.925,-10.438
LLC: R38.1 U3.30 U7.32 | length 28.2
  Top Layer w0.2: U7.32@-0.212,13.522 1.128,13.522 2.625,12.025 v1(2.625,1.05)
  Bottom Layer w0.2: v1(2.625,1.05) 7.925,-4.25 U3.30@7.925,-10.529
NetC1_1: C1.1 R2.1 R9.2 U1.4 | length 7.9
  Bottom Layer w0.3: R9.2@-15.547,1.105 -15.622,1.18 R2.1@-15.622,2.48 -14.597,2.48 -14.319,2.758 -14.319,3.158 -13.797,3.68 -11.097,3.68 -10.422,3.005 U1.4@-10.122,3.005
NetC2_1: C2.1 R11.1 R12.2 U2.4 | length 7.9
  Bottom Layer w0.3: R12.2@-15.597,-3.92 -15.623,-3.895 R11.1@-15.623,-2.545 -14.547,-2.545 -14.315,-2.313 -14.315,-1.871 -13.915,-1.47 -10.925,-1.47 -10.375,-2.02 U2.4@-10.072,-2.02
NetC22_2: C22.2 R30.2 R32.2 | length 3
  Top Layer w0.2: R32.2@-9.675,-9.85 R30.2@-8.1,-9.85 C22.2@-8.1,-8.4
NetC25_2: C25.2 R34.2 R35.2 | length 5.4
  Top Layer w0.2: C25.2@-6.475,-8.4 R34.2@-6.475,-9.85 -6.4,-9.85 -6.05,-9.5 -6.05,-9.425 -5.525,-8.9 R35.2@-5.525,-6.375
NetC26_2: C26.2 R36.2 R37.2 | length 3
  Top Layer w0.2: C26.2@-4.85,-8.4 R36.2@-4.85,-9.85 R37.2@-3.275,-9.85
NetD1_2: D1.2 R45.2
  other v1: 19.7,9.95
NetD1_3: D1.3 R47.2
  other v1: 19.7,9.05
NetD2_2: D2.2 R33.2
  other v1: 18.2,12.95
NetD2_3: D2.3 R39.2
  other v1: 18.2,12.05
NetD7_1: D7.1 R24.1
  other v1: 15.7,15.05
NetD7_4: D7.4 R25.1
  other v1: 15.7,15.95
NetD8_1: D8.1 R28.1
  other v1: 12.8,17.95
NetD8_4: D8.4 R29.1
  other v1: 12.8,18.85
NetF1_1: F1.1 J1.2 | length 4.3
  Top Layer w0.5: J1.2@-10.25,-14.775 -10.1,-14.625 -10.1,-13.818 -9.807,-13.525 -8.275,-13.525 -7.55,-14.25 -7.55,-14.4 F1.1@-7.45,-14.5
NetF2_1: F2.1 J2.2 | length 4.3
  Top Layer w0.5: J2.2@0,-14.775 0.15,-14.625 0.15,-13.818 0.443,-13.525 1.975,-13.525 2.7,-14.25 2.7,-14.4 F2.1@2.8,-14.5
NetF3_1: F3.1 J3.2 | length 4.3
  Top Layer w0.5: J3.2@10.25,-14.775 10.4,-14.625 10.4,-13.843 10.693,-13.55 12.275,-13.55 12.975,-14.25 12.975,-14.4 F3.1@13.075,-14.5
NetQ1_1: Q1.1 Q1.2 Q1.3 Q2.1 Q2.2 Q2.3
NetQ3_1: Q3.1 Q3.2 Q3.3 Q4.1 Q4.2 Q4.3
NetR26_2: R26.2 SW1.1 | length 2
  Top Layer w0.3: R26.2@8,17.125 8.025,17.1 9.975,17.1 SW1.1@10,17.075
NetR33_1: R33.1 U8.13 U8.14 | length 5.5
  Bottom Layer w0.2: U8.13@12.14,11.91 U8.14@12.64,11.91 12.67,11.94 12.67,12.36 13.412,13.102 16.159,13.102 16.16,13.1 R33.1@16.9,13.1
NetR38_2: R38.2 U8.12 | length 1.3
  Bottom Layer w0.2: R38.2@10.15,11.225 U8.12@11.455,11.225
NetR39_1: R39.1 U8.15 U8.16 | length 3.8
  Bottom Layer w0.2: U8.15@13.14,11.91 U8.16@13.64,11.91 16.89,11.91 R39.1@16.9,11.9
NetR44_1: R44.1 U8.1 | length 1.3
  Bottom Layer w0.2: U8.1@14.325,11.225 R44.1@15.65,11.225
NetR45_1: R45.1 U8.5 U8.6 | length 5.7
  Bottom Layer w0.2: U8.6@13.14,9.04 17.34,9.04 18.075,9.775 18.125,9.775 18.4,10.05 R45.1@18.4,10.1
NetR46_2: R46.2 U8.4 | length 1.3
  Bottom Layer w0.2: U8.4@14.325,9.725 R46.2@15.65,9.725
NetR47_1: R47.1 U8.7 U8.8 | length 7.7
  Bottom Layer w0.2: U8.8@12.14,9.04 U8.7@12.64,9.04 12.67,9.01 12.67,8.43 13.45,7.65 17.15,7.65 18.075,8.575 18.125,8.575 18.4,8.85 R47.1@18.4,8.9
NetR48_1: R48.1 U8.9 | length 1.3
  Bottom Layer w0.2: R48.1@10.15,9.725 U8.9@11.455,9.725
nPWRDWN: R43.1 U3.87 U7.31 | length 10.1
  Top Layer w0.2: U7.31@-0.212,13.022 v1(0.9,13.022)
  Bottom Layer w0.2: v1(0.9,13.022) 0.9,11.15 3.425,8.625 U3.87@3.425,5.1
nRESET: R40.1 U3.86 U7.25 | length 7.1
  Top Layer w0.2: U7.25@-0.197,10.022 -0.197,8.872 v1(0.55,8.125)
  Bottom Layer w0.2: R40.1@0.55,9.05 v1(0.55,8.125) 2.925,5.75 U3.86@2.925,5.1
nSHDN: C27.1 R31.2 TP17.1 U6.3 | length 3.2
  Top Layer w0.3: U6.3@9.8,11.55 R31.2@11.45,11.55 11.463,11.563 11.463,13.038 C27.1@11.475,13.05
P0: U3.63 U7.12 | length 20.2
  Top Layer w0.2: v1(-6.07,12.025) -6.068,12.023 -5.025,12.023 U7.12@-5.023,12.022
  Bottom Layer w0.2: v1(-6.07,12.025) -6.07,9.505 -8.105,7.47 -8.105,-1.395 -6.85,-2.65 U3.63@-3.75,-2.65
P1: U3.64 U7.11 | length 21.2
  Top Layer w0.2: v1(-6.55,12.525) -5.027,12.525 U7.11@-5.023,12.522
  Bottom Layer w0.2: v1(-6.55,12.525) -5.788,12.525 -5.568,12.305 -5.568,9.56 -7.803,7.325 -7.803,-0.947 -6.6,-2.15 U3.64@-3.849,-2.15
P2: U3.65 U7.10 | length 20.3
  Top Layer w0.2: v1(-6.1,13.025) -6.098,13.023 U7.10@-5.023,13.022 U7.10@-5.023,13.022
  Bottom Layer w0.2: v1(-6.1,13.025) -5.668,13.025 -5.168,12.525 -5.168,9.534 -7.502,7.2 -7.502,-0.548 -6.4,-1.65 U3.65@-3.87,-1.65
P3: U3.66 U7.9 | length 21.2
  Top Layer w0.2: v1(-6.554,13.521) -6.55,13.525 -5.893,13.525 -5.891,13.523 U7.9@-5.039,13.522 U7.9@-5.039,13.522
  Bottom Layer w0.2: v1(-6.554,13.521) -6.55,13.525 -5.5,13.525 -4.8,12.825 -4.8,9.475 -7.2,7.075 -7.2,-0.1 -6.15,-1.15 U3.66@-3.956,-1.15
P4: U3.79 U7.8 | length 14.2
  Top Layer w0.2: U7.8@-4.368,14.177 v1@-4.368,15.693
  Bottom Layer w0.2: v1(-4.375,15.7) -4.375,15.05 -3.275,13.95 -1.425,13.95 -0.575,13.1 U3.79@-0.575,5.682
P5: U3.84 U7.7 | length 14
  Top Layer w0.2: U7.7@-3.868,14.177 v1(-3.868,15.25)
  Bottom Layer w0.2: v1(-3.868,15.25) -2.918,14.3 -1.25,14.3 -0.25,13.3 -0.25,8.075 1.925,5.9 U3.84@1.925,5.673
P6: U3.95 U7.6 | length 19.1
  Top Layer w0.2: v1(-3.371,15.696) -3.368,15.693 U7.6@-3.368,14.177
  Bottom Layer w0.2: v1(-3.371,15.696) -3.338,15.663 -3.338,15.146 -2.913,14.722 2.328,14.722 7.425,9.625 U3.95@7.425,5.676
P7: U3.96 U7.5 | length 17.9
  Top Layer w0.2: U7.5@-2.868,14.47 -2.868,15.105 -2.769,15.204 v1(-2.769,15.285)
  Bottom Layer w0.2: v1(-2.769,15.285) -2.734,15.25 2.45,15.25 7.925,9.775 U3.96@7.925,5.689
PYRO_PWR: J6.01 J6.02 J6.03 J6.04 J6.05 J6.06 J6.07 J6.08 J8.01 J8.02 J8.03 J8.04 J8.05 J8.06 J8.07 J8.08 R16.2 TP6.1
  other v2: 18.285,1.905 21.715,1.905 18.285,3.175 21.715,3.175 18.285,4.445 21.715,4.445 18.285,5.715 21.715,5.715
PYRO_PWR_SENSE: R16.1 R21.2 U3.32
R_LED: R25.2 U3.97 | length 15
  Bottom Layer w0.2: U3.97@8.425,5.1 8.425,13 11.625,16.2 R25.2@14.225,16.2
RESETN: C10.1 C19.1 P1.4 R26.1 R27.2 U3.14 | length 14
  Top Layer w0.2: P1.4@-0.625,19 -0.625,19.4 0.225,20.25 3.887,20.25 4.637,19.5 C19.1@7.85,19.5 7.925,19.425 7.925,18.5 R26.1@8,18.425 7.95,18.375 6.95,18.375 R27.2@6.9,18.325
  Bottom Layer w0.3: U3.14@11.7,-3.15 13.175,-3.15 C10.1@13.675,-3.65
SD_CLK: R5.1 SD1.5 | length 8.3
  Top Layer w0.3: SD1.5@7.47,-0.45 7.72,-0.7 7.72,-1.27 9.3,-2.85 R5.1@14.475,-2.85
SD_CMD: R6.1 R48.2 SD1.3 | length 23.4
  Top Layer w0.3: v1(5.275,0.05) 5.27,0.045 SD1.3@5.27,-0.45 5.52,-0.7 5.52,-1.27 8.3,-4.05 R6.1@14.475,-4.05
  Bottom Layer w0.2: v1(5.275,0.05) 6.525,0.05 10.95,4.475 10.95,7.675 10.2,8.425 R48.2@10.15,8.425
SD_CS: SD1.2
SD_DAT0: R7.1 R46.1 SD1.7 | length 16.3
  Top Layer w0.2: R7.1@14.475,-1.65 14.475,-1.6 15.171,-0.904 15.171,7.971 v1(15.65,8.45)
  Top Layer w0.3: SD1.7@9.67,-0.45 9.916,-0.696 9.916,-1.391 10.175,-1.65 R7.1@14.475,-1.65
SD_DAT_PULL_UP: R8.1 SD1.1 SD1.8 | length 13.3
  Top Layer w0.3: SD1.1@3.07,-0.45 3.303,-0.217 3.303,0.503 3.55,0.75 10.374,0.75 10.55,0.574 10.55,-0.23 SD1.8@10.77,-0.45 R8.1@14.475,-0.45
SWCLK: P1.3 U3.76 | length 22.3
  Top Layer w0.2: P1.3@0.625,19 0.625,18.6 3.175,16.05 v1(3.175,3.925)
  Bottom Layer w0.3: U3.76@-2.075,5.1 -2.075,4.35 -1.65,3.925 v1(3.175,3.925)
SWDIO: P1.2 U3.72 | length 24.4
  Top Layer w0.2: P1.2@1.875,19 1.875,18.6 3.675,16.8 3.675,3.5 v1(3.175,3)
  Bottom Layer w0.3: U3.72@-3.8,1.85 -0.125,1.85 1.05,3.025 3.15,3.025 v1(3.175,3)
SWO: P1.1 U3.89 | length 14.5
  Top Layer w0.2: P1.1@3.125,19 3.125,18.6 3.375,18.35 3.4,18.35 4.1,17.65 4.1,6.826 4.425,6.501 v1(4.425,6.45)
  Bottom Layer w0.3: U3.89@4.425,5.1 4.425,5.75 v1(4.425,6.45)
VBAT: C7.2 U3.6 | length 2
  Bottom Layer w0.3: U3.6@11.7,0.85 C7.2@13.675,0.85
VCC: J5.01 J5.02 J7.01 J7.02 R15.2 TP5.1 U1.6 U2.6 | length 28.5
  Bottom Layer w0.3: J5.02@-17.895,5.715 -16.8,4.62 ; -16.797,4.62 -16.797,-0.01 ; U1.6@-10.166,1.061 -10.192,1.035 -10.54,1.035 -11.046,0.53 -12.328,0.53 -12.542,0.316 -12.542,-0.819 -12.718,-0.995 -14.513,-0.995 -15.498,-0.01 -16.797,-0.01 ; U2.6@-10.072,-3.92 -10.348,-3.92 -10.647,-4.22 -10.647,-6.044 -10.823,-6.22 -14.697,-6.22 -16.797,-4.12 -16.797,-0.01
  other v2: -21.715,5.715 -18.285,5.715
VCC_SENSE: R15.1 R20.2 U3.15
VIN1: C22.1 U7.17 | length 19.5
  Top Layer w0.3: C22.1@-8.1,-7.6 -8.1,-6.425 -3.55,-1.875 -3.55,5.4 -4.75,6.6 -4.75,8.692 -4.368,9.074 U7.17@-4.368,9.351
VIN2: C25.1 U7.18 | length 18.7
  Top Layer w0.3: C25.1@-6.475,-7.6 -6.475,-5.95 -2.75,-2.225 -2.75,5.55 -4.1,6.9 -4.1,8.54 -3.868,8.772 -3.868,8.922
VIN3: C26.1 U7.22 | length 20.2
  Top Layer w0.3: C26.1@-4.85,-7.6 -4.85,-5.4 -1.95,-2.5 -1.95,5.375 -0.125,7.2 -0.125,8.1 -0.525,8.5 -1.454,8.5 -1.868,8.914 U7.22@-1.868,9.366
VREF_N: C38.2 U7.20 | length 1.9
  Top Layer w0.3: U7.20@-2.868,9.366 -2.868,8.534 -2.77,8.435 -2.77,7.603 C38.2@-2.711,7.545
VREF_P: C38.1 U7.19 | length 1.9
  Top Layer w0.3: C38.1@-3.511,7.545 -3.511,8.384 -3.368,8.527 U7.19@-3.368,9.366
VS: U3.93 U7.29 | length 9.8
  Top Layer w0.2: U7.29@-0.197,12.022 0.953,12.022 v1(1.525,11.45)
  Bottom Layer w0.2: v1(1.525,11.45) 6.425,6.55 U3.93@6.425,5.665
X_IN: C17.2 U3.12 Y1.3 | length 14.9
  Bottom Layer w0.2: U3.12@11.7,-2.15 14.875,-2.15 15.75,-3.025 15.75,-11.2 Y1.3@15.325,-11.625 16.85,-11.625 C17.2@16.975,-11.75
X_OUT: C18.2 U3.13 Y1.1 | length 16.9
  Bottom Layer w0.2: U3.13@11.7,-2.65 14.65,-2.65 15.25,-3.25 15.25,-9.95 14.45,-10.75 14.45,-12.925 13.575,-13.8 Y1.1@13.575,-13.925 13.513,-13.862 13.425,-13.775 C18.2@11.925,-13.775
XIN_32: C6.2 U3.8 Y2.1 | length 9.7
  Bottom Layer w0.2: U3.8@11.7,-0.15 13.85,-0.15 14.67,0.67 14.67,5.125 14.482,5.312 Y2.1@14.2,5.312 13.037,5.312 C6.2@12.875,5.15
XOUT_32: C20.2 U3.9 Y2.2 | length 11.4
  Bottom Layer w0.2: U3.9@11.7,-0.65 13.777,-0.65 14.975,0.548 14.975,5.933 14.77,6.138 Y2.2@14.2,6.138 13.037,6.138 C20.2@12.875,6.3
XTAL_N: C40.1 U7.15 Y3.3 | length 6.3
  Top Layer w0.2: C40.1@-9.118,7.876 -9.118,9.751 Y3.3@-9.093,9.776 -9.093,9.876 -8.447,10.522 U7.15@-5.023,10.522
XTAL_P: C39.1 U7.14 Y3.1 | length 8.1
  Top Layer w0.2: C39.1@-10.768,13.876 -10.768,12.001 Y3.1@-10.793,11.976 -10.793,11.876 -9.939,11.022 U7.14@-5.023,11.022
pads on no net: J5. J6. J7. J8. U1.5 U2.5 U3. U3.1 U3.2 U3.3 U3.4 U3.5 U3.7 U3.16 U3.17 U3.18 U3.22 U3.23 U3.24 U3.25 U3.29 U3.31 U3.36 U3.37 U3.38 U3.39 U3.40 U3.41 U3.42 U3.43 U3.44 U3.45 U3.46 U3.47 U3.53 U3.54 U3.55 U3.56 U3.57 U3.58 U3.61 U3.62 U3.67 U3.68 U3.69 U3.77 U3.78 U3.80 U3.81 U3.82 U3.83 U3.85 U3.88 U3.90 U3.91 U3.92 U3.94 U4.5 U4.8 U5.5 U5.8 U6.4 U7.23 U7.24 U8.3 U8.10

## Polygon pours and split planes (outlines as drawn)
5V_PRE_SHUNT on Top Layer "5V_PRE_SHUNT_L01_P012" (solid, pour order 12): -23.175,4.815 -23.175,2.805 -16.825,2.805 -15.05,3.225 -15.05,4.375 -16.825,4.815
3V3_PRE_SHUNT on Top Layer "3V3_PRE_SHUNT_L01_P014" (solid, pour order 14): -23.175,1.005 -23.175,-1.005 -16.825,-1.005 -15.047,-0.585 -15.047,0.565 -16.825,1.005
5V_POST_SHUNT on Top Layer "5V_POST_SHUNT_L01_P002" (solid, pour order 2): -13.85,4.375 -12.1,5.012 -11.825,5.062 -9.82,5.062 -9.82,2.612 -11.775,2.612 -11.8,2.612 -12.137,2.662 -13.85,3.225
3V3_POST_SHUNT on Top Layer "3V3_POST_SHUNT_L01_P003" (solid, pour order 3): -13.847,0.565 -12.097,1.202 -11.822,1.252 -9.817,1.252 -9.817,-1.198 -11.772,-1.198 -11.797,-1.198 -12.135,-1.148 -13.847,-0.585
NetQ1_1 on Top Layer "NETQ1_1_L01_P004" (solid, pour order 4): -9.3,4.337 -9.3,2.687 -8.8,2.687 -7.775,3.337 -7.275,3.337 -7.275,4.987 -7.775,4.987 -8.8,4.337
NetQ3_1 on Top Layer "NETQ3_1_L01_P007" (solid, pour order 7): -9.297,0.527 -9.297,-1.123 -8.797,-1.123 -7.772,-0.473 -7.272,-0.473 -7.272,1.177 -7.772,1.177 -8.797,0.527
PYRO_PWR on PWR "PYRO_PWR_L02_P011" (solid, pour order 11): 16.825,6.085 23.175,6.085 23.175,1.535 16.825,1.535
3V3_PRE_SHUNT on PWR "3V3_PRE_SHUNT_L02_P010" (solid, pour order 10): -23.175,1.005 -16.825,1.005 -16.825,-1.005 -23.175,-1.005
5V_PRE_SHUNT on PWR "5V_PRE_SHUNT_L02_P009" (solid, pour order 9): -23.175,4.815 -16.825,4.815 -16.825,2.805 -23.175,2.805
VCC on PWR "VCC_L02_P008" (solid, pour order 8): -23.175,6.085 -16.825,6.085 -16.825,5.345 -23.175,5.345

## Silkscreen, mask and mechanical layers (free items; w line width, h text height)
Top Overlay:
  region: 980 vertices and 2 holes, not listed, extent 14.33,-15.265 19.53,-8.999
  text "DBG" at 7.15,23.149 h0.75 r270
  text "DBG" at -7.15,21.15 h0.75 r90
  text "RST" at 9.05,20.95 h0.75
  text "PWR" at 11.65,19.45 h0.75
  text "MCU" at 15.15,16.55 h0.75
  text "CAM_MUX" at -10.225,15.375 h0.75
  text "CAM" at 17.65,13.55 h0.75
  text "INT_1V8" at 5.375,13.15 h0.75
  text "CAN_0" at -16.9,11.95 h0.75
  text "SD" at 19.35,10.55 h0.75
  text "C0_HI" at -14.856,-2.753 h0.5
  text "5V_OC" at -10.106,-2.758 h0.5
  text "C0_LO" at -14.939,-4.028 h0.5
  text "3V3_OC" at -10.356,-4.028 h0.5
  text "C1_HI" at -14.814,-5.298 h0.5
  text "GND" at -9.606,-5.34 h0.5
  text "C1_LO" at -14.897,-6.568 h0.5
  text "CAN_1" at -16.8,-9.475 h0.75
  text "HYDRA_V3_CAMERA" at 0.15,-11.725 h0.75
  text "Designed by Serban" at 0.1,-12.733 h0.5
Bottom Overlay:
  text "OC PROT / LOGIC" at -3.873,-4.545 h0.75
Mechanical 1:
  lines w0.1: -15.888,-19.298 ccw(c-13.96,-17) -13.96,-20 13.96,-20 ccw(c13.96,-17) 15.888,-19.298 15.868,-19.318 ccw(c0,0) -15.868,-19.318
  lines w0.254: -15.888,-19.298 ccw(c-13.96,-17) -13.96,-20 13.96,-20 ccw(c13.96,-17) 15.888,-19.298